# Altium PCB 红黑红黑的小黄鸡二队转接板.PcbDoc
Units mil, origin at the board's own origin, x right, y up, seen from the top; angles counter-clockwise.
Board outline 7905.03 x 785.03 mil, 2 copper layers (Top Layer, Bottom Layer); 9 components, 11 nets, 43 pads, 46 vias.
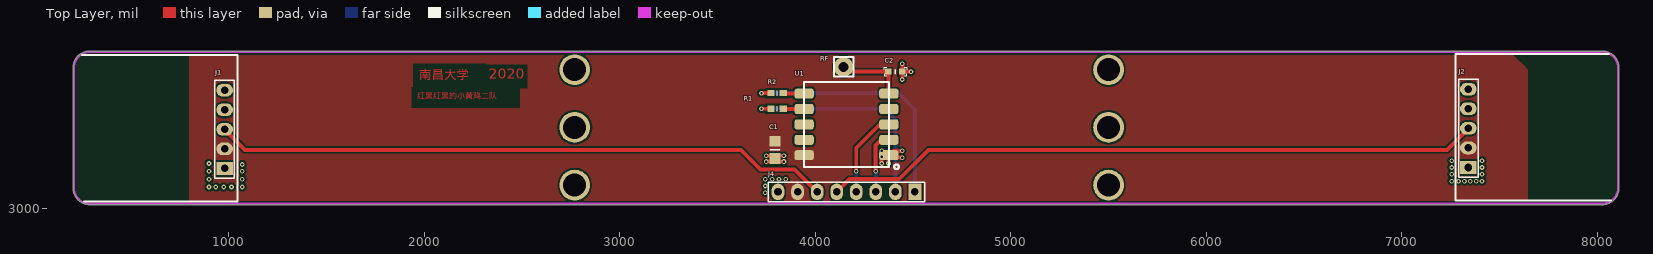
[diagram p0: Top Layer view]
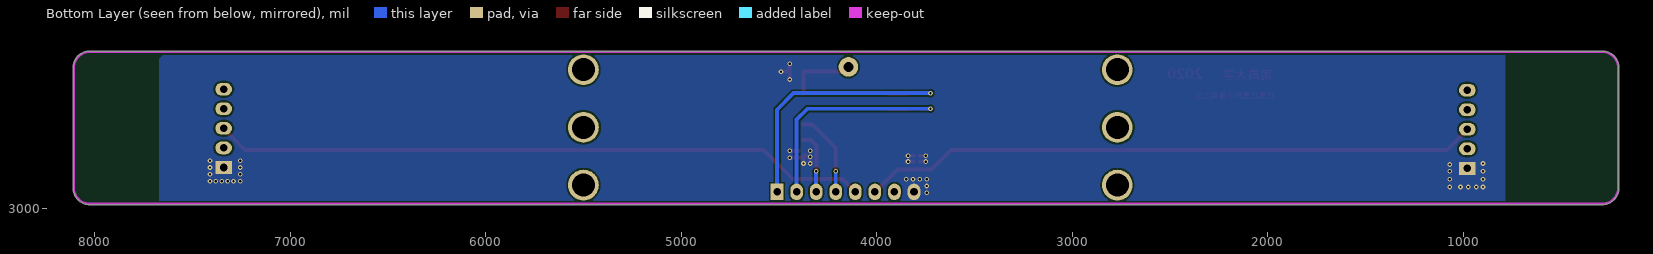
[diagram p1: Bottom Layer view, seen from below]

## Layer stack, top to bottom
Top Solder: solder mask 0.4, Solder Resist, Dk 3.5
Top Layer: signal copper 1.4
Dielectric 1: dielectric 12.6, FR-4, Dk 4.8
Bottom Layer: signal copper 1.4
Bottom Solder: solder mask 0.4, Solder Resist, Dk 3.5

## Board outline
204.98,3105 cw(c210,3105) 204.99,3105.03 204.99,3720 cw(c290,3720) 290,3805.02 cw(c290,3800) 290.03,3805.01 8025,3805.01 cw(c8025,3720) 8110.02,3720 8110.02,3105 cw(c8105,3105) 8110.02,3104.97 ccw(c8025,3105) 8110.02,3105 8110.02,3104.97 cw(c8025,3105) 8025,3019.99 290,3019.99 cw(c290,3105)

## Design rules (kind name [scope] priority, off if disabled: settings)
Clearance [All] p1: gap=10
PlaneConnect [All] p1: planeconnectstyle=Direct reliefexpansion=20 reliefentries=4 reliefconductorwidth=10 reliefairgap=10
PolygonConnect [All] p1: connectstyle=Direct reliefconductorwidth=10 reliefentries=4 polygonreliefangle="90 Angle" airgapwidth=10
RoutingVias [All] p1: holewidth=28 width=50 viastyle="Through Hole" minholewidth=28 minwidth=50 maxholewidth=28 maxwidth=50
SolderMaskExpansion [All] p1: expansion=4
UnpouredPolygon [All] p1: allowunpoured=FALSE
Width [All] p1: maxlimit=100 minlimit=10 preferedwidth=10
28 further rules are at their usual default settings.

## Components (designator, comment, footprint, x,y, rotation, side; value= is the part's Value field where it differs from the comment)
C1 "CAP-0805(104)" CAP-0805 3790,3300 r270 top
C2 "CAP-0603(1608)" CAP-0603 4410,3700 r180 top
J1 "Header1x5" HEADER1X5 980,3405 r90 top
J2 "Header1x5" HEADER1X5 7340,3410 r90 top
J4 "Header1x8" HEADER1X8 4165,3085 r180 top
R1 "RES-0603" RES-0603 3805,3510 r180 top
R2 "RES-0603" RES-0603 3805,3590 r180 top
RF "Header1x1" HEADER1X1 4145,3725 r0 top
U1 "RDA5807M" RDA5807M 4160,3430 r180 top

## Footprints (in the part's own frame and the unit in brackets; to place one, negate y for a bottom-side part, rotate by r counter-clockwise, add the part's x,y. Pads: shape width x height; smd on the part's side, far side on the other; paste and mask are expansions set on the pad)
CAP-0603 [mil]
  rect 32.5x31.5 smd: 1(-36,0) 2(36,0)
  silkscreen extent -58,-22 58,22, body extent -41,-15 41,16, height 31
CAP-0805 [mil]
  rect 55.12x55.12 smd: 1(-44,5) 2(44,5)
  silkscreen extent 0,-19 0,29, body extent -39,-19 39,29, height 47
HEADER1X1 [mil]
  round 100 hole 50: 1(0,-0.99)
  silkscreen extent -50,-50 50,50, body extent -50,-49 50,49, height 336
HEADER1X5 [mil]
  rect 65x85 hole 39: 1(-200,0)
  oval 65x85 hole 39: 2(-100,0) 3(0,0) 4(100,0) 5(200,0)
  silkscreen extent -250,-50 250,50, body extent -246,-49 254,49, height 323
HEADER1X8 [mil]
  rect 65x85 hole 39: 1(-345,0)
  oval 65x85 hole 39: 2(-245,0) 3(-145,0) 4(-45,0) 5(55,0) 6(155,0) 7(255,0) 8(355,0)
  silkscreen extent -395,-50 405,50, body extent -390,-53 410,45, height 323
RDA5807M [mm] "RDA5807M FM收音模块"
  rrect50% 2.5x1.3 smd: 1(-5.5,4) 2(-5.5,2) 3(-5.5,0) 4(-5.5,-2) 5(-5.5,-4) 6(5.5,-4) 7(5.5,-2) 8(5.5,0) 9(5.5,2) 10(5.5,4)
  silkscreen extent -6.8,-5.5 5.5,5.8, body extent -5.5,-5.5 5.5,5.5, height 2
RES-0603 [mm]
  rect 0.96x0.8 smd: 1(-0.79,0) 2(0.79,0)
  silkscreen extent 0,-0.33 0,0.33, body extent -0.8,-0.41 0.8,0.41, height 0.45

## Part data
U1: "RDA5807M FM收音模块"

## Free pads (board coordinates)
  round 157.48 hole 118.11: 0(2770,3120) 0(2770,3415) 0(2770,3710) 0(5500,3120) 0(5500,3415) 0(5500,3710)

## Via types
v1: diameter 24, hole 12, Top Layer to Bottom Layer, tented both sides, 46 vias

## Nets (pads, with @x,y where several pads share a name; then routed paths per layer and width w, separated by ;. In a path a pad name is that pad's centre, name@x,y a point inside that pad or via, vN(x,y) a via of type N, cw(c..) or ccw(c..) an arc to the next point about the centre after c; other vN are vias at no path point)
3V3: C1.1 J1.2 J2.2 J4.7 U1.10
CLK: J4.2 R1.2 | length 1126.7
  Top Layer w20: v1(3725,3510) R1.2
  Bottom Layer w20: v1(3725,3510) 4355,3510 4410,3455 J4.2
DATA: J4.1 R2.2 | length 1289.1
  Top Layer w20: v1(3725,3590) R2.2
  Bottom Layer w20: v1(3725,3590) 4425,3590 4510,3505 J4.1
GND: C1.2 C2.1 J1.1 J2.1 J4.8 U1.1 | length 458.7
  Top Layer w20: v1(3750,3240) C1.2@3779,3240 ; v1(3750,3270) C1.2@3781,3270 ; C1.2@3809,3270 v1(3840,3270) ; C1.2@3811,3240 v1(3840,3240) ; v1(4340,3230) v1(4340,3265) ; U1.1@4354.96,3265 4362.48,3272.52 U1.1 ; v1(4375,3230) U1.1@4375,3260 ; U1.1@4375,3270.98 U1.1@4375,3260 ; U1.1@4399.02,3295 v1(4445,3295) ; v1(4445,3260) U1.1@4375,3260 ; v1(4445,3660) C2.1@4445,3699 ; v1@4446,3739 C2.1 v1(4490,3700)
  other v1: 3745,3080 900,3110 935,3110 975,3110 1015,3110 1070,3110 3745,3115 7255,3140 7290,3140 7320,3140 7350,3140 7380,3140 7410,3140 900,3150 1070,3150 3745,3150 3780,3150 3815,3150 3850,3150 7255,3175 7410,3175 900,3190 1070,3190 7255,3210 7410,3210 1070,3225 900,3230 7255,3245 7410,3245 4340,3295 4445,3740
L: J4.4 U1.3 | length 441.2
  Top Layer w20: v1(4210,3190) 4210,3310 4330,3430 U1.3
  Bottom Layer w20: J4.4 v1(4210,3190)
MIC1: J1.3 J4.6 | length 3172.5
  Top Layer w20: J1.3 1085,3300 3620,3300 3720,3200 3895,3200 J4.6 ; J4.6@4020,3105 J4.6@4020,3115
MIC2: J2.3 J4.5 | length 3364.6
  Top Layer w20: J4.5 4175,3150 4430,3150 4580,3300 7230,3300 J2.3
NetC2_2: C2.2 RF.1 U1.5 | length 352.5
  Top Layer w20: RF.1 4169.01,3700 C2.2 4374,3590.02 U1.5
NetR1_1: R1.1 U1.7 | length 106.1
  Top Layer w20: R1.1@3837.36,3508.74 U1.7
NetR2_1: R2.1 U1.6 | length 104.8
  Top Layer w20: R2.1@3838.62,3587.48 U1.6
R: J4.3 U1.2 | length 315.8
  Top Layer w20: v1@4307.32,3192.68 4307.32,3322.32 4336.26,3351.26 U1.2
  Bottom Layer w20: J4.3 v1(4310,3190)
pads on no net: J1.4 J1.5 J2.4 J2.5 U1.4 U1.8 U1.9

## Polygon pours and split planes (outlines as drawn)
3V3 on Top Layer "Bottom Layer-No Net" (solid, remove dead copper, pour order 2): 1040,4030 1050,4040 7290,4040 7315,4040 7630,3725 7645,3710 7645,2685 835,2685 800,2720 800,3880 865,3880 1030,4045
GND on Bottom Layer "Bottom Layer-No Net" (solid, remove dead copper, pour order 4): 1010,3985 825,3800 785,3800 785,3030 850,2965 860,2975 7670,2975 7670,3765 7555,3880 7455,3980 1000,3980

## Keep-outs
Keep-Out Layer:
  lines w10: 7285,3025 7685,3025 8030,3025 ; 7960,3025 8025,3025 ccw(c8025,3105) 8105,3105 8105,3155 8105,3720 ccw(c8025,3720) 8025,3800 7895,3800 7625,3800 7380,3800 6795,3800 5955,3800 1860,3800 1035,3800 635,3800 290,3800 ccw(c290,3720) 210,3720 210,3370 210,3105 ccw(c290,3105) 290,3025 7970,3025

## Other copper
Top Layer:
  text "南昌大学" at 1975,3645 h80
  text "2020" at 2330,3645 h88
  text "红黑红黑的小黄鸡二队" at 1965,3550 h50

## Silkscreen, mask and mechanical layers (free items; w line width, h text height)
Top Overlay:
  lines w10: 250,3785 1045,3785 1045,3035 260,3035 ; 8060,3790 7275,3790 7275,3040 8070,3040